# Altium PCB test_stand — копия — копия.PcbDoc (part 2 of 2)
Units mm, origin at the board's own origin, x right, y up, seen from the top; angles counter-clockwise.
Board outline 94 x 80 mm, 4 copper layers (Top Layer, Layer 1(GND), Layer 3, Bottom Layer), stack 1.781 mm thick; 209 components, 152 nets, 944 pads, 135 vias.
Unrouted connection lines stored in the file: 39.
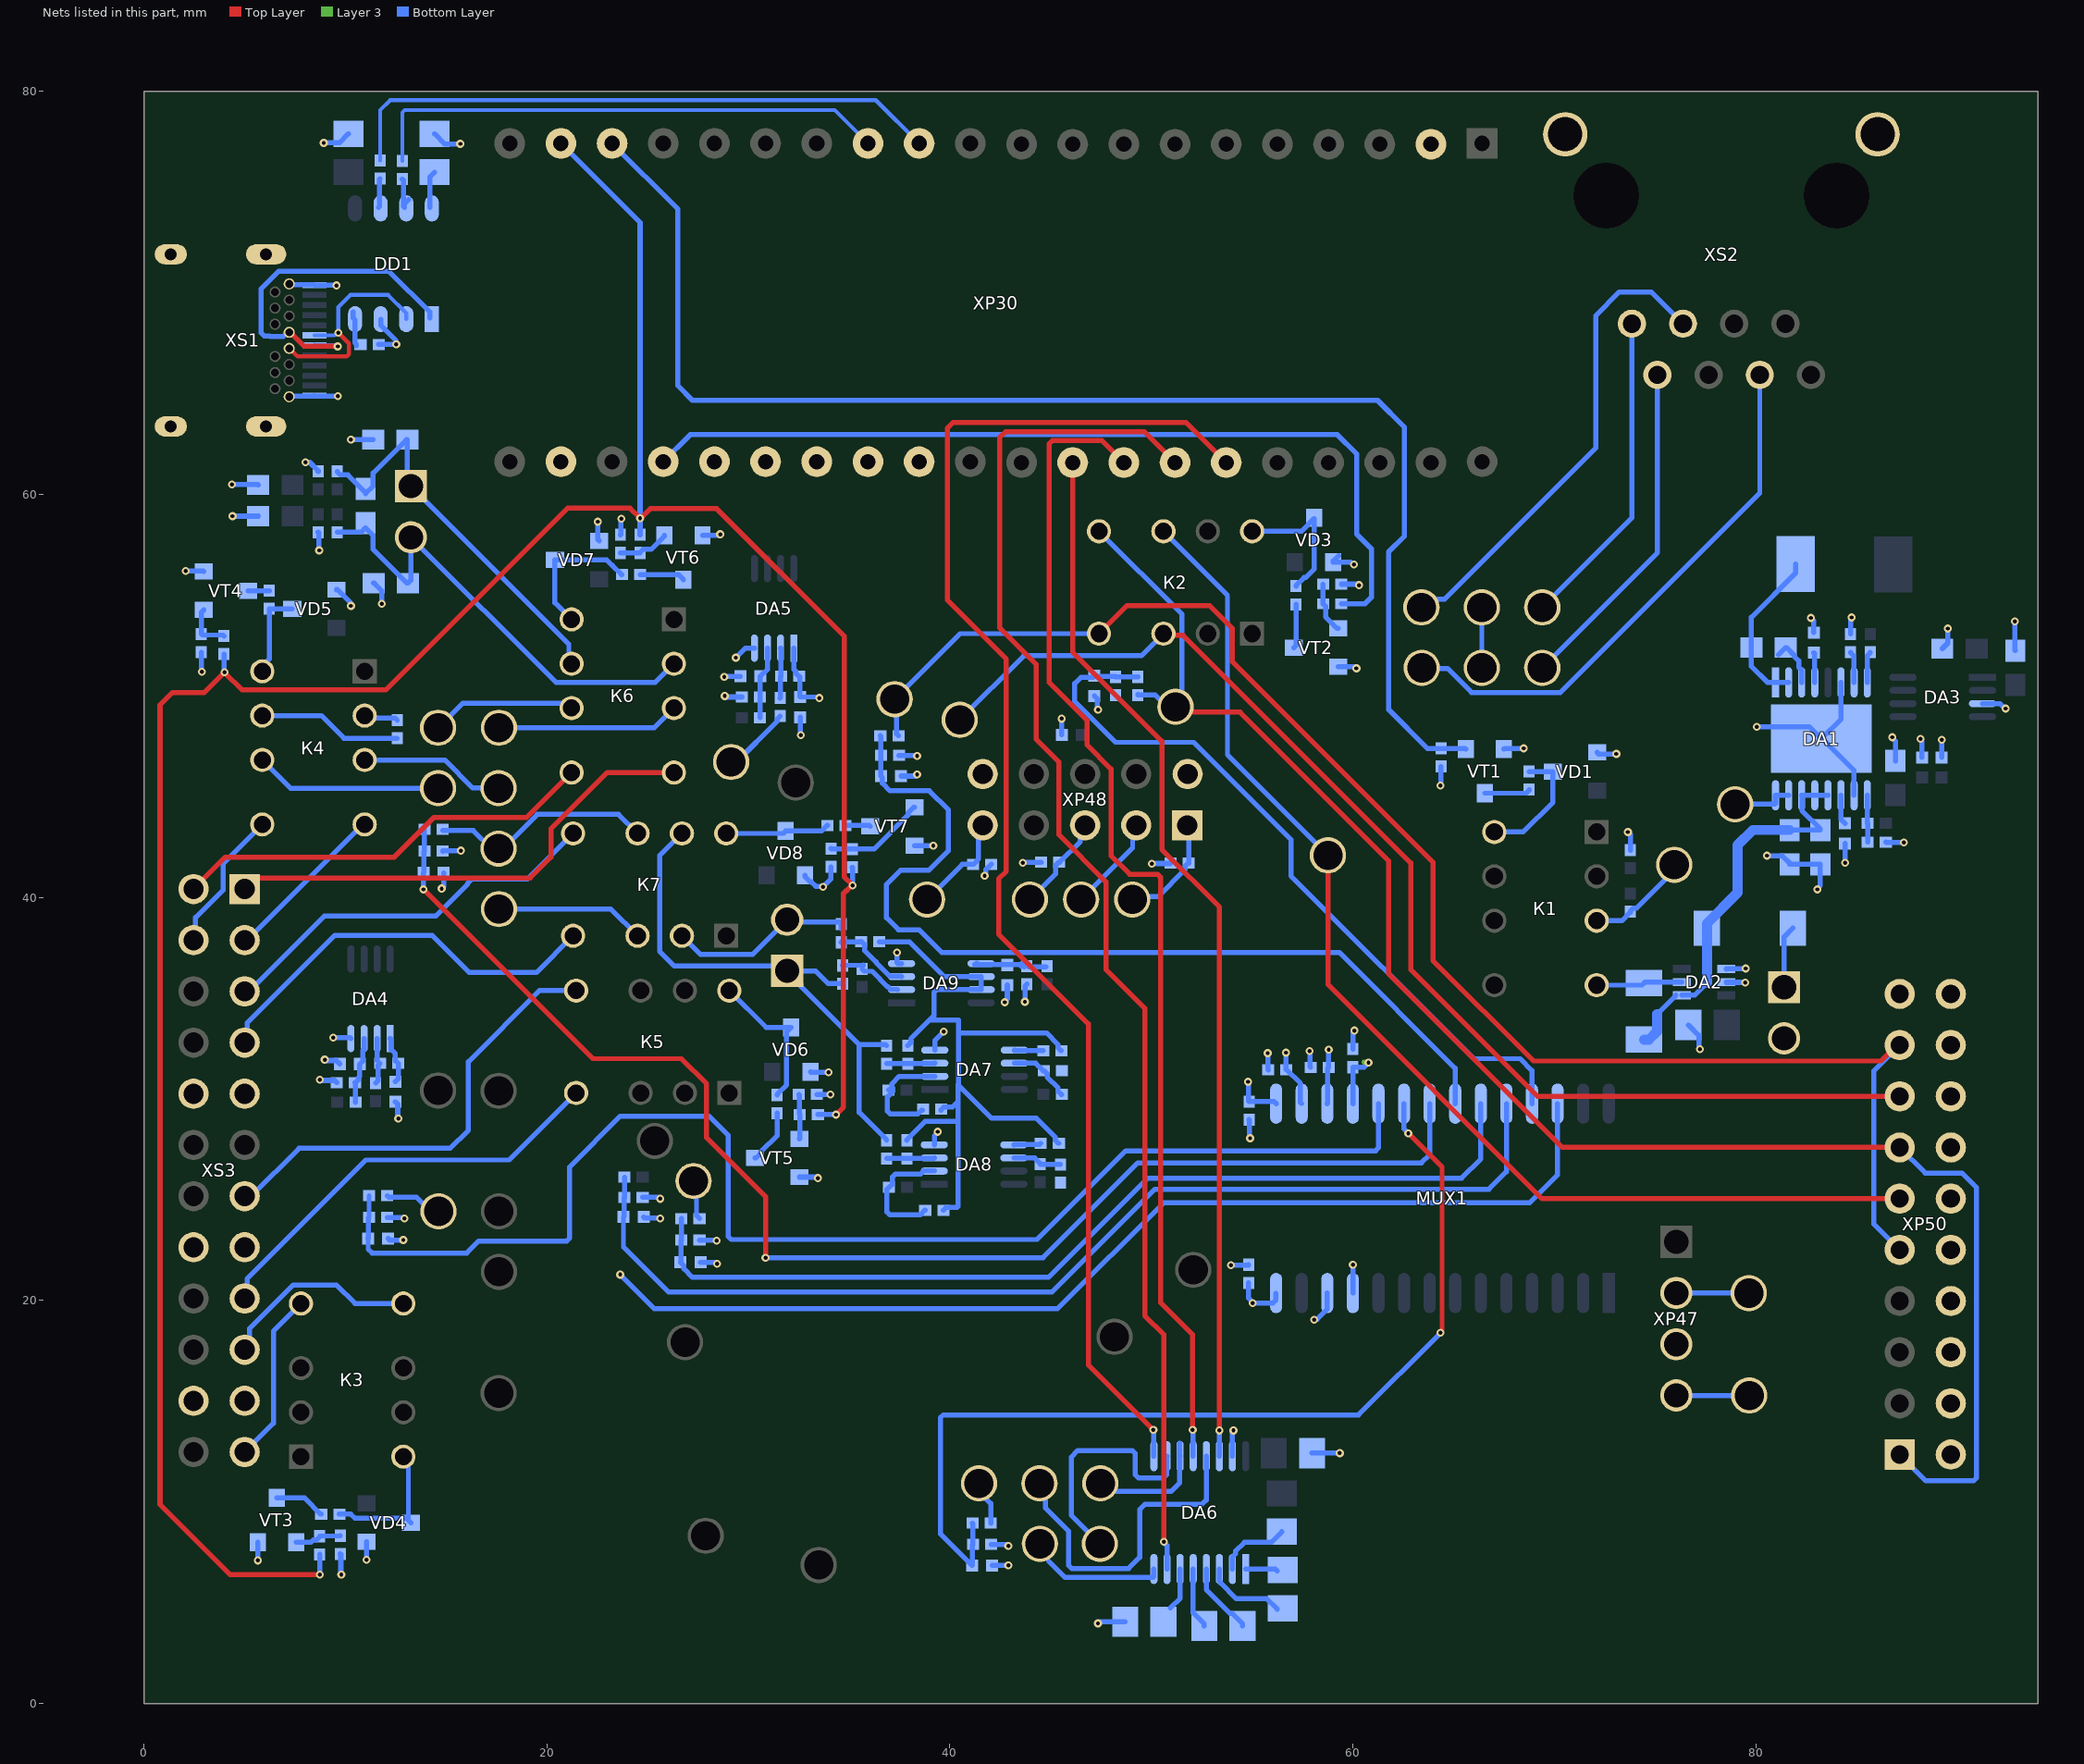
[diagram p4: the nets of this part, all layers, seen from the top]

## Via types
v1: diameter 0.4, hole 0.2, Top Layer to Bottom Layer, 135 vias

## Nets (pads, with @x,y where several pads share a name; then routed paths per layer and width w, separated by ;. In a path a pad name is that pad's centre, name@x,y a point inside that pad or via, vN(x,y) a via of type N, cw(c..) or ccw(c..) an arc to the next point about the centre after c; other vN are vias at no path point) (continued)
ChannelA+: XS3.19 К3.5 | length 10.1
  Bottom Layer w0.25: XS3.19@5,17.56 5.239,17.799 5.239,18.602 7.412,20.775 9.552,20.775 10.477,19.85 К3.5@12.875,19.85
ChannelA-: XS3.23 К3.4 | length 8.5
  Bottom Layer w0.25: XS3.23@5,12.48 6.426,13.906 6.426,18.481 К3.4@7.795,19.85
ChannelB+: XS3.13 К5.5 | length 22.7
  Bottom Layer w0.25: XS3.13@5,25.18 5.33,25.18 7.7,27.55 15.2,27.55 16.1,28.45 16.1,31.85 19.63,35.38 К5.5@21.45,35.38
ChannelB-: XS3.17 К5.4 | length 21.2
  Bottom Layer w0.25: XS3.17@5,20.1 5.12,20.22 5.12,21.07 11.025,26.975 18.125,26.975 К5.4@21.45,30.3
GPIO_OUTPUT1: MUX1.18 R28.1 XP30.32 | length 3.1
  Layer 3 w0.25: XP30.32@38.475,61.375 XP30.32@38.475,61.625 ; 60.546,31.829 60.746,31.829 v1(60.775,31.8)
  Bottom Layer w0.25: MUX1.18@60,29.769 R28.1@60,31.55 ; R28.1@60,31.575 60.55,31.575 v1(60.775,31.8)
GPIO_OUTPUT2: MUX1.17 R36.2 XP30.33 | length 2.7
  Bottom Layer w0.25: MUX1.17@58.73,29.769 58.74,29.779 58.74,31.515 R36.2@58.8,31.575 v1(58.8,32.45)
GPIO_OUTPUT3: MUX1.16 R35.2 XP30.34 | length 2.9
  Bottom Layer w0.25: v1(56.675,32.3) 56.687,32.287 56.687,31.462 R35.2@56.7,31.45 56.725,31.45 57.393,30.782 57.393,29.836 MUX1.16@57.455,29.774
GPIO_OUTPUT4: MUX1.15 R34.2 XP30.35 | length 2.4
  Bottom Layer w0.25: v1(54.8,30.85) 54.825,30.825 54.825,29.9 R34.2@54.85,29.875 56.084,29.875 MUX1.15@56.19,29.769 MUX1.15@56.208,29.787
GPIO_OUTPUT5: MUX1.14 R33.2 XP30.36 | length 3
  Layer 3 w0.25: XP30.36@28.315,61.28 XP30.36@28.315,61.625
  Bottom Layer w0.25: R33.2@54.825,20.875 54.825,20.116 55.025,19.916 v1(55.025,19.875) 56.028,19.875 56.183,20.029 MUX1.14@56.183,20.362
GPIO_OUTPUT6: R40.2 XP30.37 | length 44.4
  Bottom Layer w0.254: XP30.37@25.775,61.625 27.125,62.975 59.225,62.975 60.183,62.017 60.183,58.042 60.925,57.3 60.925,54.9 60.6,54.575 R40.2@59.425,54.575
GPIO_OUTPUT7: R41.2 R42.2 R50.2 R51.2 R52.2 XP30.19 | length 139.9
  Top Layer w0.254: v1(8.725,6.4) 4.275,6.4 0.8,9.875 0.8,49.55 1.425,50.175 3,50.175 v1(4,51.175) 4.877,50.298 11.998,50.298 21.025,59.325 24.125,59.325 v1(24.625,58.825) 24.665,58.825 25.14,59.3 28.425,59.3 34.75,52.975 34.75,41.025 v1(35.175,40.6) 35.135,40.6 34.89,40.355 34.867,40.355 34.718,40.206 34.718,29.593 v1(34.35,29.225)
  Bottom Layer w0.254: R42.2@3.975,52.075 3.988,52.062 3.988,51.187 v1(4,51.175) ; v1(8.725,6.4) R41.2@8.725,7.4 ; XP30.19@20.695,77.425 24.625,73.495 R51.2@24.625,58 ; R50.2@33.45,29.225 v1(34.35,29.225) ; R52.2@35.15,41.5 35.163,41.488 35.163,40.612 v1(35.175,40.6)
GPIO_OUTPUT8: R1.2 VT1.1 XP30.18 | length 69.3
  Bottom Layer w0.25: R1.2@64.375,47.4 65.575,47.4 VT1.1@65.6,47.375
  Bottom Layer w0.254: XP30.18@23.235,77.425 26.5,74.16 26.5,65.4 27.225,64.675 61.225,64.675 62.55,63.35 62.55,57.925 61.775,57.15 61.775,49.325 63.7,47.4 R1.2@64.375,47.4
GPS_RX: DA6.13 XP31.1 | length 16.5
  Bottom Layer w0.25: XP31.1@44.445,10.925 44.742,10.628 44.742,9.708 45.9,8.55 45.9,6.846 46.046,6.7 48.875,6.7 49.425,7.25 49.425,9.625 49.675,9.875 52.5,9.875 52.725,10.1 DA6.13@52.725,12.275
GPS_TX: DA6.11 XP32.1 | length 6.3
  Bottom Layer w0.25: XP32.1@47.466,10.924 47.885,10.924 48.285,10.525 50.975,10.525 51.406,10.956 51.406,12.256 DA6.11@51.425,12.275 51.406,12.294 DA6.11@51.406,12.926
Ipower_ACM: R5.1 XP2.1 К1.3 | length 5.2
  Bottom Layer w0.25: К1.3@72.1,38.85 73.35,38.85 73.775,39.275 R5.1@73.775,39.3 73.775,39.325 73.925,39.475 74.085,39.475 75.95,41.34 XP2.1@75.95,41.625
Laser+: XS3.5 К7.5 | length 19.6
  Bottom Layer w0.25: XS3.5@5,35.34 5.215,35.34 8.95,39.075 14.485,39.075 16.042,40.633 16.042,40.667 16.3,40.925 19.045,40.925 К7.5@21.3,43.18
Laser-: XS3.7 К7.4 | length 20.5
  Bottom Layer w0.25: XS3.7@5,32.8 5.12,32.92 5.12,33.77 9.475,38.125 14.3,38.125 16.15,36.275 19.475,36.275 К7.4@21.3,38.1
Laser_ACM_IN: R12.1 XP29.1 К7.6 | length 11.1
  Bottom Layer w0.25: R12.1@14.841,43.325 16.347,43.325 17.247,42.425 17.825,42.425 19.525,44.125 23.555,44.125 К7.6@24.5,43.18
Laser_ACM_OUT: XP26.1 К7.3 | length 7.4
  Bottom Layer w0.25: XP26.1@17.621,39.424 23.176,39.424 К7.3@24.5,38.1
Laser_IN: R62.1 R63.1 R69.1 R71.1 R77.1 XP49.1 К7.7 | length 27.9
  Bottom Layer w0.25: К7.7@26.7,43.18 25.6,42.08 25.6,37.325 26.325,36.6 31.68,36.6 XP49.1@31.925,36.355 ; R77.1@34.675,35.725 33.965,35.725 33.335,36.355 XP49.1@31.925,36.355 ; R63.1@36.86,27.95 36.86,27.975 35.5,29.335 35.5,32.7 ; R62.1@36.86,32.65 36.81,32.7 35.5,32.7 ; XP49.1@31.925,36.355 32.6,35.68 32.6,35.6 35.5,32.7
Laser_OUT: R78.1 XP49.2 К7.2 | length 9.3
  Bottom Layer w0.25: К7.2@26.7,38.1 27.625,37.175 30.205,37.175 XP49.2@31.925,38.895 32.035,38.785 34.49,38.785 R78.1@34.6,38.675 R78.1@34.6,38.45
Meas_+3.3V: C20.2 MUX1.25 R26.2 R27.1 | length 37.2
  Bottom Layer w0.25: R26.2@49.325,50.95 R27.1@48.225,50.95 48.2,50.975 47.2,50.975 C20.2@47.175,51 47.1,50.925 46.5,50.925 46.2,50.625 46.2,49.725 48.225,47.7 52.1,47.7 56.925,42.875 56.925,41.075 66,32 68.3,32 68.89,31.41 MUX1.25@68.89,29.769
Meas_+4.5V: C16.2 MUX1.23 R18.2 R19.1 | length 47.5
  Bottom Layer w0.25: R18.2@26.675,24.067 R19.1@26.675,22.998 26.65,22.973 26.65,21.923 C16.2@26.625,21.898 26.8,21.723 26.8,21.574 27.224,21.15 44.9,21.15 49.825,26.075 65.4,26.075 66.35,27.025 MUX1.23@66.35,29.769
Meas_+5.5V: C15.2 MUX1.20 R16.2 R17.1 | length 48.9
  Top Layer w0.25: v1@62.7,28.35 v1(62.75,28.3) 64.425,26.625 64.425,18.516 64.35,18.441 v1(64.35,18.4)
  Bottom Layer w0.25: R16.2@41.125,8.945 41.138,8.932 41.138,7.907 R17.1@41.15,7.895 41.125,7.87 41.125,6.87 C15.2@41.1,6.845 39.525,8.42 39.525,14.179 39.671,14.325 60.275,14.325 v1(64.35,18.4) ; MUX1.20@62.54,29.769 62.54,28.516 62.75,28.306 v1(62.75,28.3)
Meas_+5.5VAA: C19.2 MUX1.24 R24.2 R25.1 | length 54.1
  Bottom Layer w0.25: R24.2@23.85,26.123 R25.1@23.85,25.123 23.825,25.098 23.825,24.173 C19.2@23.8,24.148 23.8,22.65 26.025,20.425 45.075,20.425 50.175,25.525 66.75,25.525 67.62,26.395 MUX1.24@67.62,29.769
Meas_+5V: C13.2 MUX1.21 R12.2 R13.1 | length 68.5
  Top Layer w0.25: v1(13.875,40.4) 22.275,32 26.675,32 27.925,30.75 27.925,28.075 30.85,25.15 v1(30.85,22.125)
  Bottom Layer w0.25: v1(13.875,40.4) C13.2@13.875,41.225 13.9,41.25 13.9,42.275 R13.1@13.925,42.3 R12.2@13.925,43.375 ; v1(30.85,22.125) 44.625,22.125 49.325,26.825 63.4,26.825 63.81,27.235 MUX1.21@63.81,29.769
Meas_+5V_Power: C18.2 MUX1.22 R22.2 R23.1 | length 46.7
  Bottom Layer w0.25: R22.2@36.55,48.025 36.563,48.012 36.563,47.062 R23.1@36.575,47.05 C18.2@36.575,46.025 36.65,45.95 36.65,45.671 37.021,45.3 38.975,45.3 39.925,44.35 39.925,42.325 38.95,41.35 37.55,41.35 36.85,40.65 36.85,39 37.45,38.4 38.475,38.4 39.6,37.275 59.325,37.275 65.08,31.52 MUX1.22@65.08,29.769
Meas_+6V: C12.2 MUX1.19 R10.2 R11.1 | length 67.3
  Bottom Layer w0.25: R10.2@11.175,25.205 R11.1@11.175,24.125 11.15,24.1 11.15,23.1 C12.2@11.125,23.075 11.129,23.071 11.129,22.546 11.325,22.35 16.025,22.35 16.625,22.95 20.979,22.95 21.126,23.096 21.126,26.626 23.645,29.145 28.055,29.145 29,28.2 29,23.171 29.146,23.025 44.325,23.025 48.725,27.425 61.124,27.425 61.27,27.571 MUX1.19@61.27,29.769
Meas_-5.5V: C22.2 DA5.1 MUX1.11 R32.2 | length 5
  Bottom Layer w0.25: DA5.1@32.25,52.375 32.25,51.325 32.35,51.225 32.35,51.125 32.5,50.975 R32.2@32.525,50.975 32.55,50.95 32.55,49.975 C22.2@32.575,49.95 33.434,49.95 33.484,49.9 v1(33.525,49.9) ; MUX1.11@60,20.369 v1(60,21.775)
Meas_-6V: C17.2 DA4.1 MUX1.26 R21.2 | length 55.9
  Bottom Layer w0.25: C17.2@12.475,30.861 12.625,31.011 R21.2@12.625,31.761 ; v1(23.64,21.285) 25.325,19.6 45.35,19.6 50.6,24.85 68.775,24.85 70.16,26.235 MUX1.26@70.16,29.769
  Bottom Layer w0.254: DA4.1@12.225,33 12.273,32.952 12.273,32.452 12.477,32.248 12.477,31.909 R21.2@12.625,31.761
NetC3_2: C3.2 DA1.11 | length 1.5
  Bottom Layer w0.254: DA1.11@84.225,45.075 84.225,43.875 C3.2@84.425,43.675
NetC4_2: C4.2 DA1.4 | length 1.5
  Bottom Layer w0.254: C4.2@82.875,52.15 82.907,52.118 82.907,50.693 DA1.4@82.925,50.675
NetC6_1: C6.1 DA1.3 | length 2.6
  Bottom Layer w0.254: C6.1@81.123,52.048 C6.1@81.475,52.4 81.525,52.4 81.898,52.027 81.898,51.977 82.127,51.748 82.127,51.424 82.275,51.276 DA1.3@82.275,50.675
NetC6_2: C6.2 DA1.1 DA1.2 L1.1 | length 8.2
  Bottom Layer w0.254: DA1.2@81.625,50.675 DA1.1@80.975,50.675 80.575,50.675 79.775,51.475 C6.2@79.775,52.4 79.775,53.908 81.974,56.107 L1.1@81.974,56.55
NetC14_2: C14.2 DA4.3 R15.2 R20.1 | length 3.4
  Bottom Layer w0.25: R20.1@10.5,29.836 10.487,29.849 10.487,30.799 R15.2@10.475,30.811 10.5,30.811 10.65,30.961 10.65,31.064 10.694,31.108 10.694,31.705 10.863,31.874 10.863,32.411 10.925,32.473 DA4.3@10.925,33
NetC21_2: C21.2 DA5.3 R30.2 R31.1 | length 3.6
  Bottom Layer w0.25: R31.1@30.575,48.925 R30.2@30.575,49.95 30.588,49.963 30.588,50.963 C21.2@30.6,50.975 30.95,51.325 DA5.3@30.95,52.375
NetC23_1: C23.1 DA6.5 | length 3.1
  Bottom Layer w0.25: DA6.5@52.075,6.675 52.075,4.5 52.625,3.95 C23.1@52.625,3.85
NetC23_2: C23.2 DA6.4 | length 3.6
  Bottom Layer w0.25: DA6.4@52.725,6.675 52.725,5.65 53.9,4.475 54,4.475 54.525,3.95 C23.2@54.525,3.85
NetC24_1: C24.1 DA6.3 | length 4.1
  Bottom Layer w0.25: DA6.3@53.375,6.675 53.375,6.073 53.425,6.023 53.425,5.993 54.218,5.2 55.725,5.2 C24.1@56.25,4.675
NetC24_2: C24.2 DA6.1 | length 1.6
  Bottom Layer w0.25: DA6.1@54.675,6.675 56.15,6.675 C24.2@56.25,6.575
NetC25_1: C25.1 DA6.2 | length 3.6
  Bottom Layer w0.25: DA6.2@54.025,6.675 54.025,7.277 54.175,7.427 54.175,7.56 54.615,8 55.95,8 C25.1@56.475,8.525
NetC26_2: C26.2 DA6.6 | length 2.1
  Bottom Layer w0.25: C26.2@50.95,4.75 51.425,5.225 DA6.6@51.425,6.675
NetC29_2: C29.2 DD1.8 | length 1.8
  Bottom Layer w0.25: DD1.8@14.195,74.25 14.195,75.77 C29.2@14.425,76
NetC31_2: C31.2 DA9.5 R80.2 R82.2 | length 3.6
  Bottom Layer w0.25: DA9.5@41.225,36.675 41.371,36.675 42.575,36.675 43.5,36.675 ; DA9.5@41.325,36.746 41.371,36.7 DA9.5@41.425,36.7 ; R82.2@43.55,36.575 R82.2@43.7,36.575 ; 43.55,36.725 43.625,36.65 R82.2@43.7,36.575 ; R82.2@43.7,36.55 R82.2@43.7,36.575 ; R82.2@43.925,36.55 R80.2@44.775,36.55
NetDA1_7: DA1.7 R3.2 | length 1.6
  Bottom Layer w0.254: R3.2@84.7,52.175 84.7,52.15 84.875,51.975 DA1.7@84.875,50.675
NetDA1_8: DA1.8 R6.1 | length 1.6
  Bottom Layer w0.254: DA1.8@85.525,50.675 85.525,52 85.675,52.15 R6.1@85.675,52.175
NetDA1_9: DA1.9 R8.2 R9.1 | length 2.3
  Bottom Layer w0.254: DA1.9@85.525,45.075 85.538,45.063 85.538,43.688 R9.1@85.55,43.675 R8.2@85.55,42.75
NetDA2_5: DA2.5 R4.2 К1.4 | length 4.3
  Bottom Layer w0.25: К1.4@72.1,35.65 74.35,35.65 R4.2@74.45,35.75 74.5,35.8 DA2.5@76.325,35.8
NetDA4_2: DA4.2 R14.2 R21.1 | length 2.2
  Bottom Layer w0.25: R14.2@11.5,30.786 11.625,30.911 11.625,31.661 R21.1@11.725,31.761 ; DA4.2@11.575,33 11.575,31.911 R21.1@11.6,31.886
NetDA5_2: DA5.2 R29.2 R32.1 | length 2.5
  Bottom Layer w0.25: R29.2@31.575,49.9 31.6,49.925 31.6,50.95 R32.1@31.625,50.975 31.613,50.988 31.613,52.362 DA5.2@31.6,52.375
NetDA7_2: DA7.2 R68.1 R72.1 | length 5.8
  Bottom Layer w0.25: R72.1@36.95,30.45 36.975,30.45 37.125,30.6 37.125,30.76 37.49,31.125 DA7.2@39.25,31.125 ; R72.1@37.175,30.535 37.175,30.375 36.9,30.1 36.9,29.396 37.046,29.25 38.4,29.25 38.6,29.45 R68.1@38.65,29.45
NetDA7_3: DA7.3 R62.2 R64.1 | length 2.4
  Bottom Layer w0.25: R62.2@36.86,31.75 R64.1@37.91,31.75 37.922,31.762 39.238,31.762 DA7.3@39.25,31.775
NetDA7_5: DA7.5 R66.1 | length 1.4
  Bottom Layer w0.25: DA7.5@43.2,32.425 43.212,32.413 44.623,32.413 R66.1@44.635,32.4
NetDA7_6: DA7.6 R69.2 R73.1 | length 3.2
  Bottom Layer w0.25: DA7.6@43.2,31.775 44.26,31.775 44.635,31.4 R69.2@44.66,31.4 44.685,31.4 44.835,31.25 44.835,31.09 45.375,30.55 45.375,30.375 45.525,30.225 R73.1@45.55,30.225
NetDA8_2: DA8.2 R70.1 R74.1 | length 6.1
  Bottom Layer w0.25: R70.1@38.775,24.475 38.75,24.475 38.525,24.25 37.021,24.25 36.875,24.396 36.875,25.525 R74.1@36.975,25.625 37,25.625 37.15,25.775 37.15,26.129 37.296,26.275 38.548,26.275 38.698,26.425 DA8.2@39.225,26.425
NetDA8_3: DA8.3 R63.2 R65.1 | length 2.4
  Bottom Layer w0.25: R63.2@36.86,27.05 R65.1@37.86,27.05 37.873,27.062 39.212,27.062 DA8.3@39.225,27.075
NetDA8_5: DA8.5 R67.1 | length 1.4
  Bottom Layer w0.25: DA8.5@43.175,27.725 43.194,27.744 44.454,27.744 R67.1@44.51,27.8
NetDA8_6: DA8.6 R71.2 R75.1 | length 2.5
  Bottom Layer w0.25: DA8.6@43.175,27.075 44.21,27.075 44.485,26.8 R75.1@44.485,26.775 44.497,26.762 45.472,26.762 R71.2@45.485,26.75
NetDA9_2: DA9.2 R77.2 R81.1 | length 3.2
  Bottom Layer w0.25: R77.2@34.675,36.625 34.687,36.637 35.688,36.637 35.7,36.65 R81.1@35.7,36.625 ; R81.1@35.65,36.45 35.762,36.338 36.143,36.338 36.518,35.963 36.518,35.95 36.893,35.575 36.923,35.575 37.054,35.444 37.381,35.444 DA9.2@37.4,35.425
NetDA9_3: DA9.3 R78.2 R79.1 | length 3.9
  Bottom Layer w0.25: R78.2@34.6,37.775 34.612,37.788 35.538,37.788 35.575,37.825 R79.1@35.6,37.8 35.625,37.8 35.775,37.65 35.775,37.36 36.334,36.801 36.334,36.784 37.024,36.094 37.581,36.094 DA9.3@37.6,36.075
NetDD1_1: DD1.1 XS1.A6 XS1.B6 | length 17.5
  Top Layer w0.25: XS1.B6@7.21,68.05 7.259,68.05 7.959,67.35 v1(9.618,67.35)
  Bottom Layer w0.25: XS1.B6@7.229,68.075 7.154,68.075 6.929,67.85 6.261,67.85 6.236,67.875 5.971,67.875 5.825,68.021 5.825,70.214 6.261,70.65 6.686,71.075 12.195,71.075 ; XS1.A6@8.465,67.4 8.49,67.375 9.593,67.375 v1(9.618,67.35) ; 12.195,71.05 14.195,69.05 DD1.1@14.195,68.75
NetDD1_2: DD1.2 XS1.A7 XS1.B7 | length 11.3
  Top Layer w0.2: XS1.B7@7.21,67.25 7.223,67.25 7.623,66.85 10.058,66.85 10.175,66.967 10.175,67.5 v1(9.65,68.025)
  Bottom Layer w0.2: XS1.A7@8.465,67.9 9.471,67.9 9.596,68.025 v1(9.65,68.025) 9.65,69.3 10.25,69.9 12.12,69.9 13.02,69 DD1.2@13.02,68.7
NetDD1_4: DD1.4 R57.2 | length 1.7
  Bottom Layer w0.25: DD1.4@10.385,69.05 10.385,68.75 10.468,68.667 10.468,67.532 10.55,67.45 R57.2@10.55,67.375
NetDD1_6: DD1.6 R58.1 | length 1.5
  Bottom Layer w0.25: DD1.6@11.655,74.25 11.69,74.285 11.69,75.64 R58.1@11.725,75.675
NetDD1_7: DD1.7 R56.1 | length 1.9
  Bottom Layer w0.25: R56.1@12.825,75.65 12.875,75.6 12.875,74.428 12.875,74.3 12.925,74.25 12.925,74.428 DD1.7@13.133,74.636
NetR2_1: R2.1 VT1.3 | length 2.3
  Bottom Layer w0.25: VT1.3@66.55,45.175 68.6,45.175 68.75,45.325 R2.1@68.75,45.35
NetR2_2: R2.2 VD1.3 К1.8 | length 6.2
  Bottom Layer w0.25: К1.8@67.02,43.25 68.45,43.25 69.925,44.725 VD1.3@69.925,46.25 R2.2@68.75,46.25
NetR10_1: R10.1 XP4.1 | length 3
  Bottom Layer w0.25: R10.1@12.075,25.205 12.15,25.13 13.523,25.13 14.228,24.424 XP4.1@14.621,24.424 XP4.1@14.621,24.569
NetR16_1: R16.1 XP6.1 | length 2.2
  Bottom Layer w0.25: XP6.1@41.445,10.925 41.445,10.505 42.025,9.926 R16.1@42.025,8.945
NetR18_1: R18.1 XP7.1 | length 2
  Bottom Layer w0.25: XP7.1@27.277,25.928 27.426,25.779 27.426,24.216 R18.1@27.575,24.067
NetR29_1: R29.1 XP17.1 | length 3.4
  Bottom Layer w0.254: XP17.1@29.141,46.724 29.412,46.724 31.427,48.74 31.427,48.852 R29.1@31.575,49
NetR37_2: R37.2 R40.1 VT2.1 | length 2.5
  Bottom Layer w0.25: R37.2@58.525,55.55 R40.1@58.525,54.575 58.65,54.45 58.65,53.925 59.225,53.35 VT2.1@59.275,53.35
NetR38_2: R38.2 R41.1 VT3.1 | length 2.3
  Bottom Layer w0.25: VT3.1@7.55,8 8.29,8 8.415,8.125 8.575,8.125 8.725,8.275 R41.1@8.725,8.3 8.737,8.313 9.737,8.313 R38.2@9.75,8.325
NetR39_2: R39.2 R42.1 VT4.1 | length 2.4
  Bottom Layer w0.25: VT4.1@2.975,54.275 2.85,54.15 R39.2@2.85,53.075 2.9,53.025 3.925,53.025 R42.1@3.975,52.975
NetR43_1: R43.1 VT2.3 | length 2.2
  Bottom Layer w0.25: VT2.3@57.075,52.4 57.175,52.5 R43.1@57.175,54.55
NetR43_2: R43.2 VD3.3 К2.8 | length 7.1
  Bottom Layer w0.25: К2.8@55,58.175 57.45,58.175 58.075,58.8 58.075,56.29 57.66,55.875 57.575,55.875 57.175,55.475 R43.2@57.175,55.45
NetR44_1: R44.1 VT3.3 | length 2.5
  Bottom Layer w0.25: VT3.3@6.6,10.2 7.975,10.2 8.775,9.4 R44.1@8.8,9.4
NetR44_2: R44.2 VD4.3 К3.8 | length 6.8
  Bottom Layer w0.25: R44.2@9.7,9.4 10.265,9.4 10.465,9.2 13.025,9.2 VD4.3@13.125,9.1 ; К3.8@13.125,12.2 13.125,9.2 VD4.3@13.125,9.1 ; VD4.3@13.25,8.975 VD4.3@13.125,9.1
NetR45_1: R45.1 VT4.3 | length 1
  Bottom Layer w0.25: VT4.3@5.175,55.225 R45.1@6.225,55.225
NetR45_2: R45.2 VD5.3 К4.8 | length 4.4
  Bottom Layer w0.25: К4.8@5.875,51.225 5.875,51.482 6.225,51.832 R45.2@6.225,54.325 VD5.3@7.362,54.326 VD5.3@7.362,54.326
NetR46_1: R46.1 К4.7 | length 7.2
  Bottom Layer w0.25: К4.7@5.875,49.025 8.804,49.025 9.929,47.9 R46.1@12.575,47.9
NetR46_2: R46.2 К4.2 | length 1.7
  Bottom Layer w0.25: К4.2@10.955,49.025 11.068,48.912 12.462,48.912 R46.2@12.575,48.8
NetR47_2: R47.2 R50.1 VT5.1 | length 2.2
  Bottom Layer w0.25: R47.2@32.5,30.225 32.525,30.2 32.525,29.25 R50.1@32.55,29.225 32.55,28.05 VT5.1@32.525,28.025
NetR48_2: R48.2 R51.1 VT6.1 | length 2.6
  Bottom Layer w0.25: R48.2@23.65,57.1 R51.1@24.625,57.1 24.625,57.125 24.775,57.275 25.175,57.275 25.825,57.925 VT6.1@25.825,57.975
NetR49_2: R49.2 R52.1 VT7.1 | length 5.1
  Bottom Layer w0.25: R49.2@34.1,42.425 34.112,42.412 35.138,42.412 R52.1@35.15,42.4 36.235,42.4 37.925,44.09 37.925,44.2 38.2,44.475 VT7.1@38.25,44.475
NetR53_1: R53.1 VT5.3 | length 2.7
  Bottom Layer w0.25: VT5.3@30.325,27.075 30.375,27.075 30.65,27.35 30.65,27.4 31.425,28.175 R53.1@31.425,29.3
NetR53_2: R53.2 VD6.3 К5.8 | length 7.5
  Bottom Layer w0.25: К5.8@29.05,35.38 30.88,33.55 VD6.3@32.125,33.55 31.9,33.325 31.9,30.7 31.425,30.225 R53.2@31.425,30.2
NetR54_1: R54.1 VT6.3 | length 2.3
  Bottom Layer w0.25: R54.1@24.625,56.025 26.525,56.025 VT6.3@26.775,55.775
NetR54_2: R54.2 VD7.3 К6.8 | length 6.9
  Bottom Layer w0.25: К6.8@21.225,53.8 20.4,54.625 VD7.3@20.4,56.75 22.965,56.75 23.24,56.475 23.25,56.475 23.7,56.025 R54.2@23.725,56.025
NetR55_1: R55.1 VT7.3 | length 1.2
  Bottom Layer w0.25: R55.1@34.825,43.575 36,43.575 VT7.3@36.05,43.525
NetR55_2: R55.2 VD8.3 К7.8 | length 5.2
  Bottom Layer w0.25: К7.8@28.9,43.18 31.73,43.18 VD8.3@31.85,43.3 33.625,43.3 33.9,43.575 R55.2@33.925,43.575
NetVD2_1: VD2.1 XP3.1 | length 3.1
  Bottom Layer w0.254: XP3.1@81.4,35.55 81.4,38.045 VD2.1@81.83,38.475
NetXP36_1: XP36.1 XS2.2 | length 16.9
  Bottom Layer w0.25: XP36.1@69.4,51.397 75.115,57.112 XS2.2@75.115,65.935
Peltie+: XS3.2 К6.5 | length 21.2
  Top Layer w0.254: XS3.2@2.46,40.42 4.04,42 12.425,42 14.4,43.975 19,43.975 К6.5@21.225,46.2
Peltie-: XS3.1 К6.4 | length 24.5
  Top Layer w0.254: XS3.1@5,40.42 5.551,40.971 19.171,40.971 20.2,42 20.2,43.4 23,46.2 К6.4@26.305,46.2
Peltie_ACM_IN: XP28.1 К6.6 | length 7.2
  Bottom Layer w0.25: XP28.1@14.6,48.425 15.825,49.649 20.718,49.649 20.968,49.4 К6.6@21.225,49.4
Peltie_ACM_OUT: XP25.1 К6.3 | length 9.1
  Bottom Layer w0.25: XP25.1@17.621,48.424 25.329,48.424 К6.3@26.305,49.4
Peltie_IN: C32.1 C34.2 R85.2 XP51.1 К6.7 | length 20
  Bottom Layer w0.25: R85.2@9.6,61.15 9.6,61.125 9.75,60.975 10.12,60.975 11,60.095 11,60.045 11.375,60.42 11.375,61.07 13.025,62.72 C32.1@13.075,62.72 13.075,60.59 XP51.1@13.25,60.415 21.09,52.575 21.09,51.735 К6.7@21.225,51.6
Peltie_OUT: C33.1 C34.1 R83.2 XP51.2 К6.2 | length 23.9
  Bottom Layer w0.25: R83.2@9.6,58.125 10.78,58.125 11,58.345 11.375,57.97 11.375,57.275 13.05,55.6 C33.1@13.1,55.6 13.25,55.75 XP51.2@13.25,57.875 20.45,50.675 25.38,50.675 К6.2@26.305,51.6
Power: C1.2 C2.2 DA1.12 DA1.13 DA1.14 DA2.4 R4.1 VD2.2 | length 19.8
  Bottom Layer w0.25: 75.1,34.214 DA2.4@76.036,35.15 ; DA2.4@76.325,35.15 76.961,35.15
  Bottom Layer w0.254: 76.961,35.15 77.57,35.759 ; C1.2@81.675,43.35 C2.2@83.2,43.35 83.2,43.4 82.293,44.307 82.293,45.057 DA1.14@82.275,45.075 DA1.13@82.925,45.075 DA1.12@83.575,45.075
  Bottom Layer w0.5: R4.1@74.45,32.95 74.7,32.95 75.1,33.35 75.1,34.214 ; 77.57,35.759 VD2.2@77.57,38.475 77.57,38.705 79.1,40.235 79.1,42.6 79.85,43.35 C1.2@81.675,43.35
R1_IN: XP18.1 XP50.11 К2.6 | length 58.6
  Top Layer w0.25: XP18.1@58.763,42.093 58.763,35.687 69.395,25.055 XP50.11@87.135,25.055
  Bottom Layer w0.25: К2.6@50.6,58.175 53.775,55 53.775,47.082 XP18.1@58.763,42.093
R1_OUT: R26.1 XP10.1 XP50.1 XP50.13 К2.5 | length 84.4
  Top Layer w0.25: XP10.1@51.197,49.464 51.467,49.194 54.406,49.194 61.775,41.825 61.775,36.225 70.405,27.595 XP50.13@87.135,27.595
  Bottom Layer w0.25: К2.5@47.4,58.175 51.525,54.05 51.525,50.211 51.197,49.884 XP10.1@51.197,49.464 50.778,49.464 50.192,50.05 R26.1@49.325,50.05 R26.1@49.343,50.068 ; XP50.1@87.135,12.355 88.44,11.05 90.804,11.05 90.95,11.196 90.95,25.6 90.225,26.325 88.405,26.325 XP50.13@87.135,27.595
R22_IN: XP19.1 XP50.15 К2.3 | length 61
  Top Layer w0.25: К2.3@50.6,53.095 50.683,53.012 51.575,53.012 62.875,41.712 62.875,36.425 69.165,30.135 XP50.15@87.135,30.135
  Bottom Layer w0.25: XP19.1@40.488,48.818 43.67,52 49.505,52 К2.3@50.6,53.095
R22_OUT: R22.1 XP8.1 XP50.9 XP50.17 К2.4 | length 78.4
  Top Layer w0.25: К2.4@47.4,53.095 48.78,54.475 52.9,54.475 54.025,53.35 54.025,51.7 63.975,41.75 63.975,36.875 68.965,31.885 86.204,31.885 86.994,32.675 XP50.17@87.135,32.675
  Bottom Layer w0.25: R22.1@37.45,48.025 37.354,48.121 37.354,49.748 XP8.1@37.257,49.844 40.509,53.095 К2.4@47.4,53.095 ; XP50.9@87.135,22.515 85.85,23.8 85.85,31.39 XP50.17@87.135,32.675
RS232_RX: DA6.8 XP34.1 | length 6
  Bottom Layer w0.25: 44.897,7.074 45.721,6.25 50.079,6.25 50.125,6.296 DA6.8@50.125,6.675
RS232_TX: DA6.10 XP33.1 | length 11.9
  Bottom Layer w0.25: XP33.1@47.445,7.925 46.025,9.345 46.025,12.225 46.35,12.55 49.05,12.55 49.2,12.4 49.2,11.346 49.346,11.2 50.609,11.2 50.756,11.346 50.756,12.256 DA6.10@50.775,12.275
RX_GND: C1.1 C2.1 C3.1 C4.1 C5.1 C7.1 C8.1 C9.1 C10.1 C11.1 C12.1 C13.1 C14.1 C15.1 C16.1 C17.1 C18.1 C19.1 C20.1 C21.1 C22.1 C26.1 C27.1 C28.1 C29.1 C30.1 C31.1 C32.2 C33.2 C35.1 C36.1 DA1.6 DA1.10 DA1.15 DA1.16 DA1.17 DA2.1 DA2.2 DA3.3 DA4.4 DA5.4 DA6.15 DA7.4 DA8.4 DA9.4 DD1.3 MUX1.12 R1.1 R3.1 R7.2 R8.1 R11.2 R13.2 R15.1 R17.2 R19.2 R23.2 R25.2 R27.2 R28.2 R30.1 R33.1 R34.1 R35.1 R36.1 R37.1 R38.1 R39.1 R47.1 R48.1 R49.1 R57.1 R59.1 R60.1 R61.1 R82.1 R84.2 R86.2 VD1.1 VD3.1 VD4.1 VD5.1 VD6.1 VD7.1 VD8.1 VT1.2 VT2.2 VT3.2 VT4.2 VT5.2 VT6.2 VT7.2 XP1.1 XP3.2 XP30.2 XP30.39 XP37.1 XP40.1 XP47.3 XP48.2 XP48.10 XP50.2 XP50.4 XP50.6 XP50.8 XP50.10 XP50.12 XP50.14 XP50.16 XP50.18 XP50.19 XP50.20 XS1.A1 XS1.A12 XS1.B1 XS1.B12 XS1.S1 XS1.S2 XS1.S3 XS1.S4 XS2.9 XS2.10 XS3.9 XS3.10 XS3.15 XS3.16 XS3.21 XS3.22 | length 108.8
  Bottom Layer w0.25: XP40.1@66.4,51.397 XP37.1@66.4,54.397
  Bottom Layer w0.254: v1(2.075,56.2) 2.95,56.2 VT4.2@2.975,56.175 ; R39.1@2.85,52.175 2.863,52.163 2.863,51.212 v1(2.875,51.2) ; v1(4.375,60.5) 5.65,60.5 C36.1@5.675,60.475 ; v1(4.4,58.925) C35.1@5.675,58.925 ; v1(5.65,7.1) VT3.2@5.65,8 ; XS1.B12@7.21,64.85 7.237,64.877 8.442,64.877 XS1.A1@8.465,64.9 8.477,64.888 9.613,64.888 v1(9.625,64.875) ; XS1.B1@7.21,70.45 7.237,70.423 8.442,70.423 XS1.A12@8.465,70.4 8.477,70.387 9.538,70.387 v1(9.55,70.375) ; v1(8.025,61.6) 8.225,61.6 8.65,61.175 R86.2@8.65,61.15 ; R84.2@8.65,58.125 8.675,58.1 8.675,57.25 v1(8.7,57.225) ; v1(8.725,30.95) 8.753,30.922 9.464,30.922 R15.1@9.575,30.811 ; v1(8.925,77.45) 9.7,77.45 C28.1@10.15,77.9 ; v1(8.975,31.95) 9.015,31.95 9.055,31.909 9.552,31.909 C14.1@9.725,31.736 ; v1(9.4,33.05) 10.231,33.05 10.275,33.006 DA4.4@10.275,33 ; VD5.1@9.562,55.276 9.612,55.276 10.247,54.641 10.247,54.503 v1(10.275,54.475) ; R38.1@9.75,7.425 9.775,7.4 9.775,6.425 v1(9.8,6.4) ; v1(10.275,62.725) 11.37,62.725 C32.2@11.375,62.72 ; v1(11.05,7.125) VD4.1@11.05,8.025 ; C33.2@11.4,55.6 11.427,55.6 11.8,55.227 v1(11.8,54.575) ; R57.1@11.65,67.45 v1(12.525,67.45) 12.497,67.478 12.497,67.653 11.75,68.4 DD1.3@11.75,68.7 ; R11.2@12.075,24.125 12.835,24.125 12.885,24.075 v1(12.925,24.075) ; C12.1@12.125,23.075 12.2,23 v1(12.875,23) ; C17.1@12.475,29.861 12.597,29.739 12.597,29.053 v1(12.625,29.025) ; C29.1@14.425,77.9 14.925,77.4 v1(15.7,77.4) ; v1(14.775,40.444) 14.875,40.544 C13.1@14.875,41.225 ; R13.2@14.825,42.3 14.837,42.312 15.712,42.312 v1(15.725,42.325) ; v1(22.525,58.65) 22.525,57.775 VD7.1@22.6,57.7 ; R48.1@23.65,58 23.675,58.025 23.675,58.773 v1(23.7,58.798) ; R25.2@24.75,25.123 25.513,25.123 25.585,25.05 v1(25.625,25.05) ; C19.1@24.8,24.148 24.845,24.103 25.597,24.103 v1(25.625,24.075) ; R19.2@27.575,22.998 27.586,22.986 28.414,22.986 v1(28.425,22.975) ; C16.1@27.625,21.898 28.377,21.898 v1(28.45,21.825) ; VT6.2@27.725,57.975 28.51,57.975 28.56,58.025 v1(28.6,58.025) ; v1(28.8,50.95) 28.813,50.962 29.587,50.962 C21.1@29.6,50.975 ; v1(28.825,50) 28.865,50 28.915,49.95 R30.1@29.675,49.95 ; v1(29.375,51.9) 29.85,52.375 DA5.4@30.3,52.375 ; VT5.2@32.525,26.125 33.36,26.125 33.41,26.075 v1(33.45,26.075) ; C22.1@32.575,48.95 32.588,48.938 32.588,48.062 v1(32.6,48.05) ; VD8.1@32.8,41.1 32.8,41.05 33.073,40.777 33.123,40.777 33.347,40.553 33.672,40.553 v1(33.7,40.525) 34.1,40.925 R49.1@34.1,41.525 ; VD6.1@33.075,31.35 33.1,31.325 v1(33.975,31.325) ; R47.1@33.4,30.225 v1(34.073,30.225) ; v1(37.375,37.275) 37.375,36.769 37.419,36.725 DA9.4@37.6,36.725 ; R23.2@37.475,47.05 37.487,47.038 38.363,47.038 v1(38.375,47.025) ; C18.1@37.575,46.025 38.3,46.025 v1(38.375,46.1) ; VT7.2@38.25,42.575 38.254,42.571 v1(39.179,42.571) ; DA8.4@39.225,27.725 39.225,28.16 39.4,28.335 v1(39.4,28.375) ; DA7.4@39.25,32.425 39.25,32.9 v1(39.7,33.35) ; v1(41.725,41.075) 41.777,41.127 41.777,41.377 R61.1@42.05,41.65 ; R17.2@42.05,7.895 42.79,7.895 42.86,7.825 v1(42.9,7.825) ; C15.1@42.1,6.845 42.102,6.848 42.898,6.848 v1(42.9,6.85) ; v1(42.725,34.8) 42.725,34.84 42.85,34.965 C31.1@42.85,35.65 ; v1(43.625,41.725) 43.637,41.737 44.513,41.737 R60.1@44.525,41.75 ; v1(43.725,34.825) 43.725,35.6 R82.1@43.825,35.7 ; C30.1@45.55,48.075 v1(45.55,48.875) ; C20.1@47.175,50 47.325,49.85 47.325,49.343 v1(47.353,49.315) ; v1(47.35,3.975) 47.39,3.975 47.465,4.05 C26.1@48.7,4.05 ; v1(50.025,41.675) 50.037,41.687 50.938,41.687 R59.1@50.95,41.7 ; v1(53.95,21.75) 53.963,21.763 54.813,21.763 R33.1@54.825,21.775 ; DA6.15@54.025,12.275 54.025,13.46 54.075,13.51 v1(54.075,13.55) ; R34.1@54.85,28.975 54.875,28.95 54.875,28.075 v1(54.9,28.05) ; v1(55.775,32.275) 55.788,32.262 55.788,31.463 R35.1@55.8,31.45 ; v1(57.85,32.375) 57.875,32.35 57.875,31.6 R36.1@57.9,31.575 ; C27.1@57.975,12.425 v1(59.35,12.425) ; v1(58.075,19.05) 58.103,19.078 58.233,19.078 58.73,19.575 MUX1.12@58.73,20.369 ; VT2.2@59.275,51.45 60.06,51.45 60.135,51.375 v1(60.175,51.375) ; VD3.1@59.298,56.973 59.025,56.7 VD3.1@59.025,56.65 59.885,56.65 60.01,56.525 v1(60.05,56.525) ; R37.1@59.425,55.55 60.21,55.55 60.26,55.5 v1(60.3,55.5) ; R28.2@60,32.475 60.012,32.487 60.012,33.337 v1(60.071,33.396) ; v1(64.35,45.55) 64.363,45.562 64.363,46.488 R1.1@64.375,46.5 ; VT1.2@67.5,47.375 67.525,47.4 v1(68.475,47.4) ; VD1.1@72.125,47.2 72.2,47.125 v1(73.075,47.125) ; v1(73.65,43.25) 73.775,43.125 R7.2@73.775,42.35 ; C5.1@76.65,33.675 77.173,33.152 77.173,32.523 v1(77.221,32.475) ; DA2.2@78.525,35.8 78.538,35.788 79.463,35.788 v1(79.475,35.775) ; DA2.1@78.525,36.45 78.538,36.463 79.488,36.463 v1(79.5,36.475) ; XP1.1@78.971,44.624 XP1.1@78.971,44.624 80.931,44.626 80.975,44.67 DA1.16@80.975,45.075 DA1.15@81.625,45.075 ; v1(80.05,48.475) 82.65,48.475 DA1.17@83.25,47.875 ; v1(80.55,42.075) 80.552,42.073 81.302,42.073 81.675,41.7 C1.1@81.675,41.65 C2.1@83.2,41.65 83.2,40.59 83.05,40.44 v1(83.05,40.4) ; v1(82.725,53.875) 82.875,53.725 C4.1@82.875,53.15 ; DA1.6@84.225,50.675 84.225,48.85 DA1.17@83.25,47.875 ; v1(84.425,41.725) C3.1@84.425,42.675 ; R3.1@84.7,53.075 84.7,53.85 v1(84.75,53.9) ; DA1.10@84.875,45.075 84.875,46.302 83.302,47.875 DA1.17@83.25,47.875 ; R8.1@86.45,42.75 86.462,42.738 87.337,42.738 v1(87.35,42.725) ; v1(86.775,47.95) 86.775,47.91 86.925,47.76 C7.1@86.925,46.775 ; v1(88.175,47.875) 88.175,47.835 88.25,47.76 C8.1@88.25,46.95 ; C9.1@89.225,46.95 v1(89.225,47.825) ; C11.1@89.25,52.35 89.525,52.625 v1(89.525,53.35) ; DA3.3@91.25,49.625 91.268,49.607 92.129,49.607 92.36,49.375 v1(92.4,49.375) ; v1(92.85,53.7) 92.85,52.275 C10.1@92.875,52.25
RX_N: XP39.1 XS2.6 | length 27.2
  Bottom Layer w0.25: XP39.1@63.42,51.397 63.448,51.369 64.695,51.369 65.893,50.172 70.297,50.172 80.195,60.07 XS2.6@80.195,65.935
RX_P: XP35.1 XS2.3 | length 24
  Bottom Layer w0.25: XP35.1@63.4,54.397 63.819,54.397 64.235,54.813 64.563,54.813 72.05,62.3 72.05,68.875 73.225,70.05 74.81,70.05 XS2.3@76.385,68.475
SWCLK: XP45.1 XP47.2 | length 3.6
  Bottom Layer w0.25: XP47.2@76.05,20.37 76.053,20.367 79.647,20.367 XP45.1@79.65,20.365
SWDIO: XP46.1 XP47.4 | length 3.6
  Bottom Layer w0.25: XP47.4@76.05,15.29 76.053,15.287 79.668,15.287 XP46.1@79.671,15.284
TCK: R59.2 XP41.1 XP48.1 | length 5.6
  Bottom Layer w0.25: XP41.1@49.051,39.899 49.192,40.041 50.326,40.041 51.675,41.39 51.675,41.55 51.825,41.7 R59.2@51.85,41.7 51.85,43.51 XP48.1@51.775,43.585
TDI: R61.2 XP44.1 XP48.9 | length 5.3
  Bottom Layer w0.25: XP44.1@38.87,39.9 40.62,41.65 R61.2@41.15,41.65 41.175,41.65 41.325,41.8 41.325,41.825 41.425,41.925 41.425,43.38 XP48.9@41.63,43.585 XP48.9@41.56,43.655
TDO: XP43.1 XP48.3 | length 4.8
  Bottom Layer w0.25: XP43.1@46.511,39.899 49.071,42.46 49.071,43.406 XP48.3@49.25,43.585
Termistor+: XS3.4 К4.5 | length 7.2
  Bottom Layer w0.25: XS3.4@2.46,37.88 2.565,37.985 2.565,39.005 3.925,40.365 3.925,41.675 К4.5@5.875,43.625
Termistor-: XS3.3 К4.4 | length 8.3
  Bottom Layer w0.25: XS3.3@5,37.88 5.105,37.88 10.85,43.625 К4.4@10.955,43.625
TMS: R60.2 XP42.1 XP48.5 | length 4.8
  Bottom Layer w0.25: XP42.1@43.971,39.899 45.25,41.179 45.25,41.6 45.4,41.75 R60.2@45.425,41.75 45.45,41.75 46.471,42.771 46.471,43.346 XP48.5@46.71,43.585
TR_ACM_IN: XP23.1 К4.6 | length 9.3
  Bottom Layer w0.25: К4.6@5.875,46.825 7.275,45.425 XP23.1@14.6,45.425
TR_ACM_OUT: XP21.1 К4.3 | length 7.2
  Bottom Layer w0.25: К4.3@10.955,46.825 14.932,46.825 16.325,45.432 17.593,45.432 XP21.1@17.6,45.425
TX_P: XP38.1 XS2.1 | length 15.9
  Bottom Layer w0.25: XP38.1@69.4,54.397 73.845,58.842 XS2.1@73.845,68.475
USART1_RX: DA6.7 XP30.27 | length 69.1
  Top Layer w0.25: v1(50.625,8.025) 50.625,18.3 49.675,19.25 49.675,34.5 47.75,36.425 47.75,40.775 45.4,43.125 45.4,46.737 44.275,47.863 44.275,51.575 42.468,53.382 42.468,62.818 42.772,63.122 49.638,63.122 XP30.27@51.175,61.585
  Bottom Layer w0.25: v1(50.625,8.025) 50.625,7.984 50.775,7.834 DA6.7@50.775,6.675
USART1_TX: DA6.9 XP30.26 | length 70.4
  Top Layer w0.25: v1(50.1,13.575) 46.875,16.8 46.875,33.725 42.425,38.175 42.425,40.925 42.8,41.3 42.8,51.825 39.879,54.746 39.879,63.304 40.147,63.572 51.728,63.572 XP30.26@53.715,61.585
  Bottom Layer w0.25: v1(50.1,13.575) 50.112,13.563 50.112,12.287 DA6.9@50.125,12.275
USART2_RX: R58.2 XP30.12 | length 30.3
  Bottom Layer w0.2: R58.2@11.725,76.575 11.725,79.075 12.225,79.575 36.325,79.575 XP30.12@38.475,77.425
USART2_TX: R56.2 XP30.13 | length 26.2
  Bottom Layer w0.2: R56.2@12.825,76.55 12.825,78.958 12.942,79.075 34.285,79.075 XP30.13@35.935,77.425
USART6_RX: DA6.14 XP30.29 | length 52.3
  Top Layer w0.25: XP30.29@46.095,61.585 46.095,52.18 50.525,47.75 50.525,42.375 53.375,39.525 v1(53.375,13.55)
  Bottom Layer w0.25: DA6.14@53.375,12.275 v1(53.375,13.55)
USART6_TX: DA6.12 XP30.28 | length 58.2
  Top Layer w0.25: XP30.28@48.635,61.585 47.548,62.672 45.078,62.672 44.932,62.526 44.932,50.668 46.8,48.8 46.8,47.575 48,46.375 48,42.075 48.925,41.15 50.304,41.15 50.45,41.004 50.45,19.9 52.05,18.3 v1(52.05,13.575)
  Bottom Layer w0.25: v1(52.05,13.575) 52.062,13.563 52.062,12.287 DA6.12@52.075,12.275
Vref: DA9.6 DA9.7 R64.2 R65.2 R66.2 R67.2 R68.2 R70.2 R79.2 | length 39.4
  Bottom Layer w0.25: R79.2@36.5,37.8 37.986,37.8 39.711,36.075 DA9.6@41.55,36.075 DA9.7@41.55,35.425 39.35,35.425 39.204,35.279 39.204,34.129 38.996,33.921 ; R65.2@37.86,27.95 37.86,27.975 38.785,28.9 40.325,28.9 40.4,28.975 ; R64.2@37.91,32.65 38.06,32.8 38.06,32.985 38.996,33.921 ; R68.2@39.55,29.45 39.7,29.6 40.125,29.6 40.4,29.875 ; R70.2@39.675,24.475 39.825,24.625 40.35,24.625 40.4,24.675 40.4,28.975 ; 40.429,30.696 40.429,33.325 ; R67.2@45.41,27.8 45.385,27.8 45.235,27.95 45.235,28.11 44.295,29.05 42.075,29.05 40.4,30.725 40.4,29.875 ; R66.2@45.535,32.4 45.51,32.4 45.36,32.55 45.36,32.71 44.795,33.275 40.479,33.275 40.429,33.325 ; 38.996,33.921 40.429,33.921 40.429,33.325 ; 40.4,28.975 40.4,29.875
pads on no net: DA3.4 DA3.5 DA3.6 DA3.8 DA4.5 DA4.6 DA4.7 DA5.5 DA5.6 DA5.7 MUX1.2 MUX1.3 MUX1.4 MUX1.13 MUX1.27 XP30.4 XP30.5 XP30.6 XP30.7 XP30.16 XP30.17 XP30.21 XP30.22 XP30.23 XP30.24 XP30.25 XP30.30 XP30.31 XP48.7 XP48.8 XS1.A2 XS1.A3 XS1.A5 XS1.A8 XS1.A10 XS1.A11 XS1.B2 XS1.B3 XS1.B5 XS1.B8 XS1.B10 XS1.B11 XS1.MID XS1.MID1 XS2.4 XS2.5 XS2.7 XS2.8 XS2.11 XS2.12 XS3.6 XS3.8 XS3.11 XS3.12 К1.2 К1.5 К1.6 К1.7 К2.2 К2.7

## Polygon pours and split planes (outlines as drawn)
RX_GND on Layer 1(GND) "GND" (solid, pour order 0): 0.025,80 94,80 94,0 0,0

## Silkscreen, mask and mechanical layers (free items; w line width, h text height)
Mechanical 1:
  circle w0.013: c5,75 r1.5
  circle w0.013: c89,75 r1.5
  circle w0.013: c5,5 r1.5
  circle w0.013: c89,5 r1.5
  circle w0.013: c16.25,55.347 r1.5
  circle w0.013: c77.6,55.445 r1.5
  circle w0.013: c77.6,8.425 r1.5
  circle w0.013: c16.25,8.425 r1.5
  lines w0.013: 0,0 94,0 94,80 0,80 0,0 ; 10.28,10.8 21.05,10.8 21.05,52.95 10.28,52.95 10.28,10.8 ; 12.55,4.925 81.45,4.925 81.45,58.925 12.55,58.925 12.55,4.925 ; 36.6,35.085 51.3,35.085 51.3,42.165 36.6,42.165 36.6,35.085 ; 36.921,3.615 36.921,14.385 55.071,14.385 55.071,3.615 36.921,3.615 ; 58.85,37.05 58.85,58.697 74,58.697 74,49.2 83.27,49.2 83.27,37.05 58.85,37.05 ; 77.38,13.015 81.92,13.015 81.92,25.175 77.38,25.175 77.38,13.015

## Dimensions
-0.025,80 to 0,0 on Mechanical 1
0,80 to 94,80 on Mechanical 1